# Altium PCB MK66MUC.PcbDoc (part 1 of 2)
Units mil, origin at the board's own origin, x right, y up, seen from the top; angles counter-clockwise.
Board outline 5142.08 x 3058.33 mil, 2 copper layers (Top Layer, Bottom Layer); 100 components, 101 nets, 463 pads, 106 vias.
Unrouted connection lines stored in the file: 122.
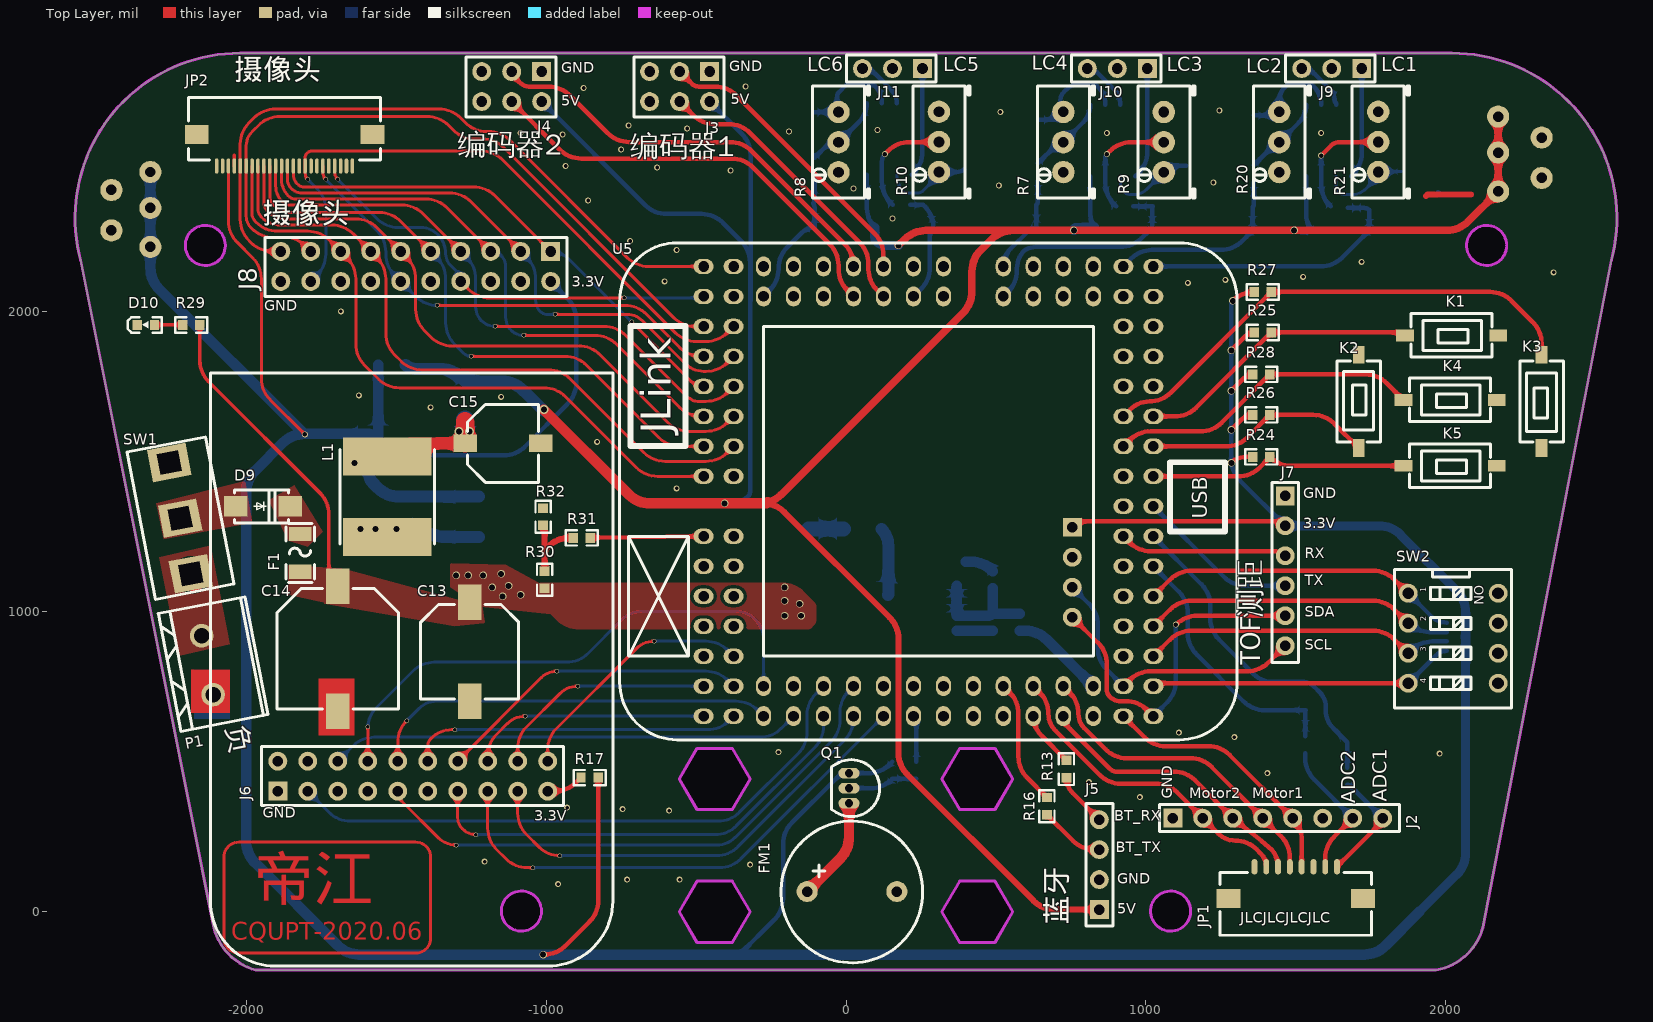
[diagram p0: Top Layer view]
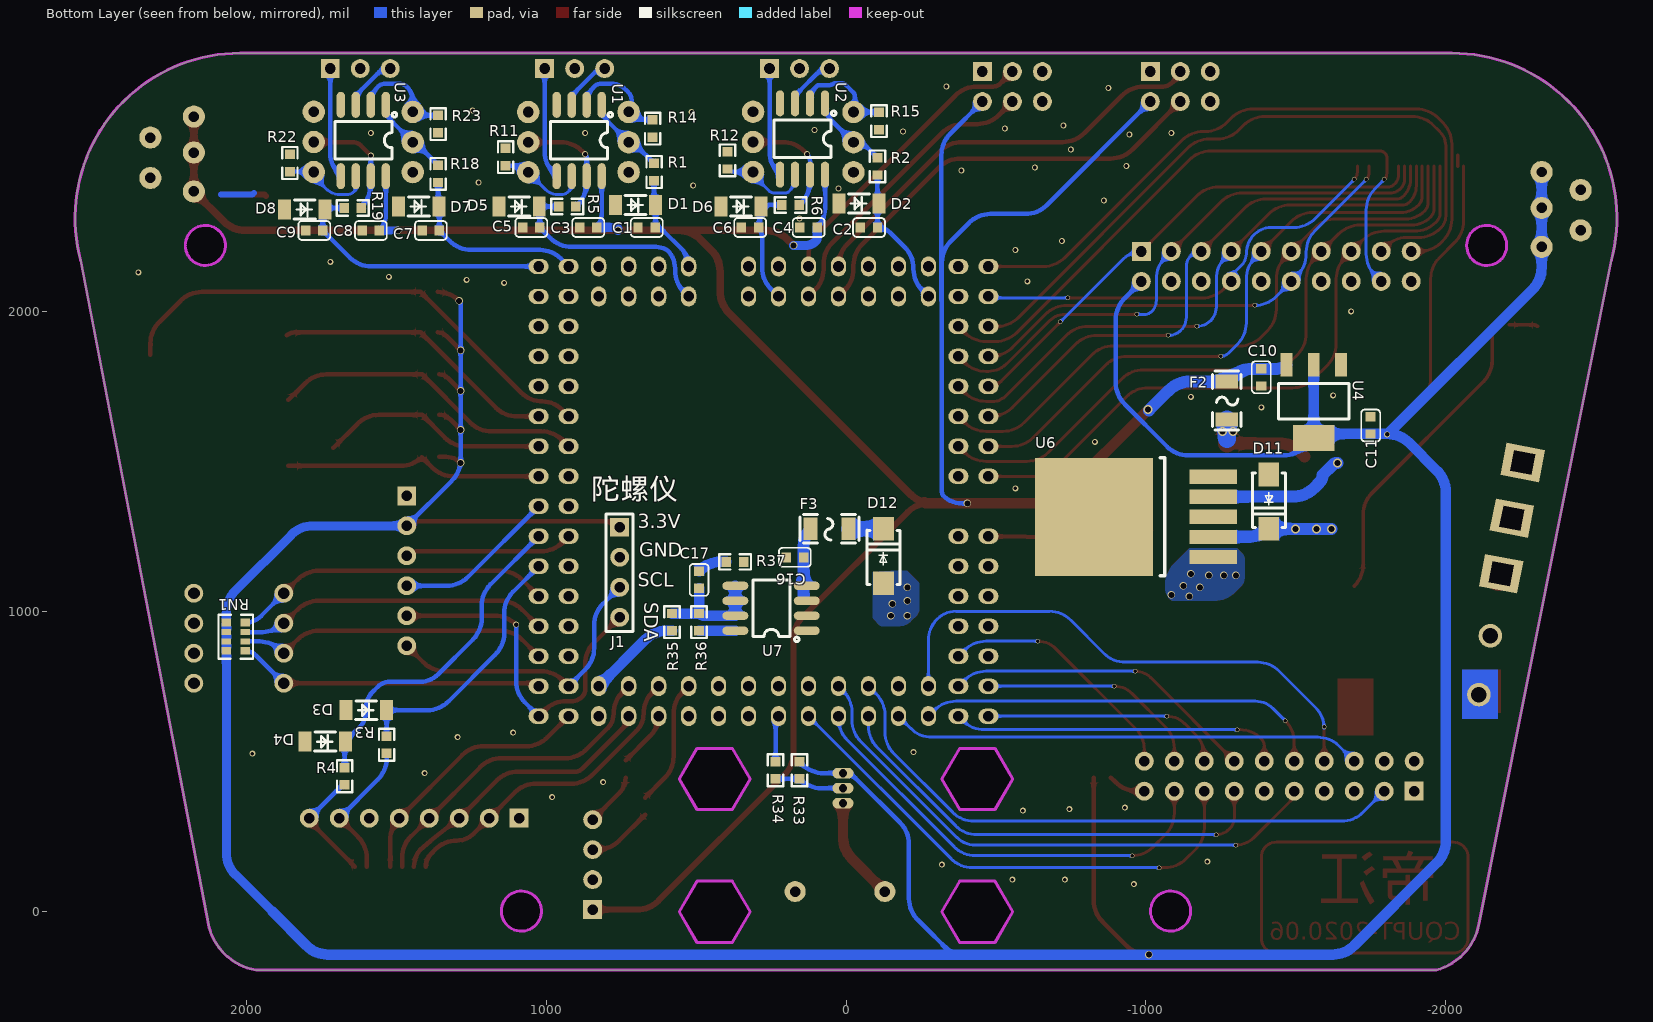
[diagram p1: Bottom Layer view, seen from below]
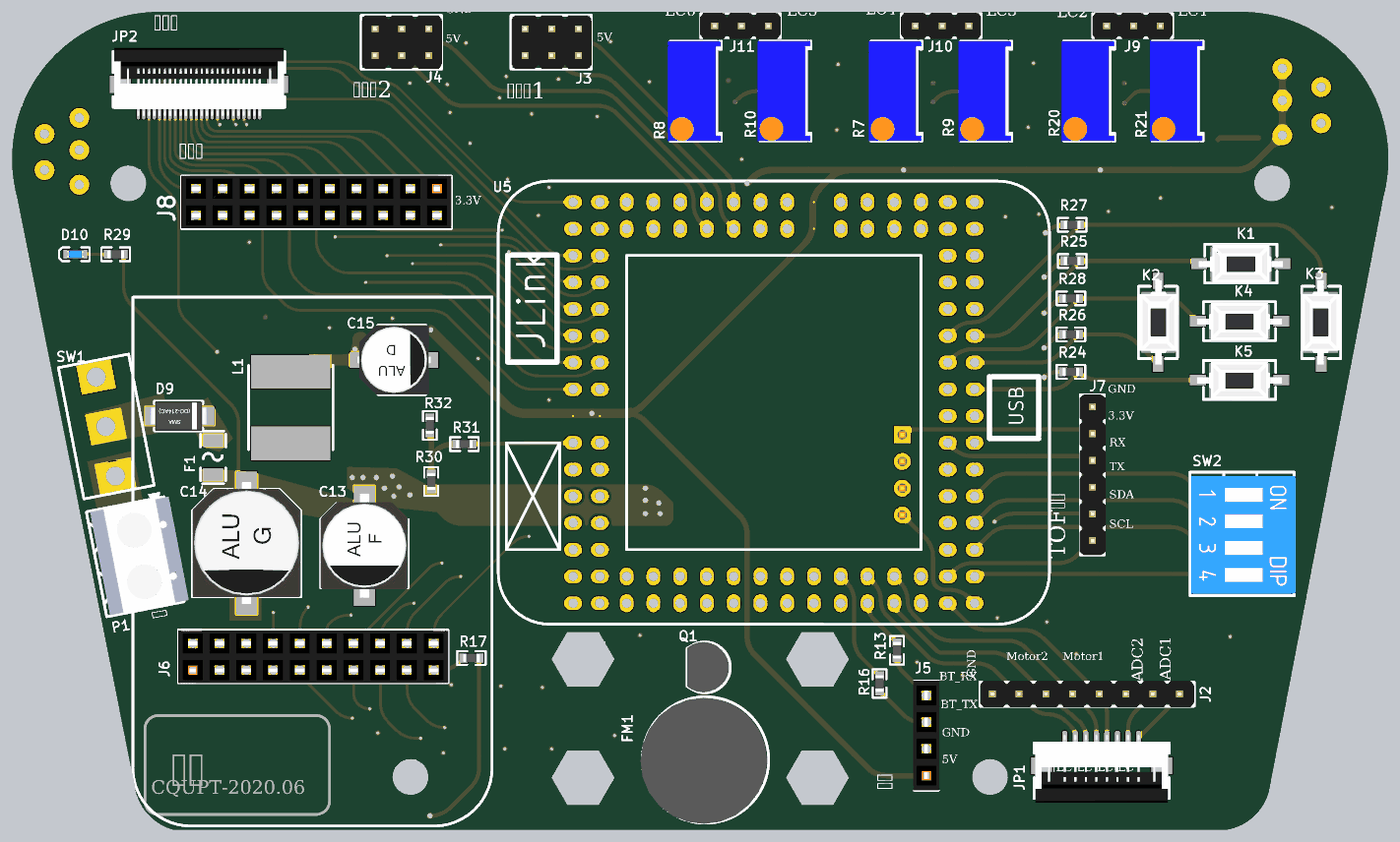
[diagram p3: 3D render of the assembled board from above, using the file's embedded part models]
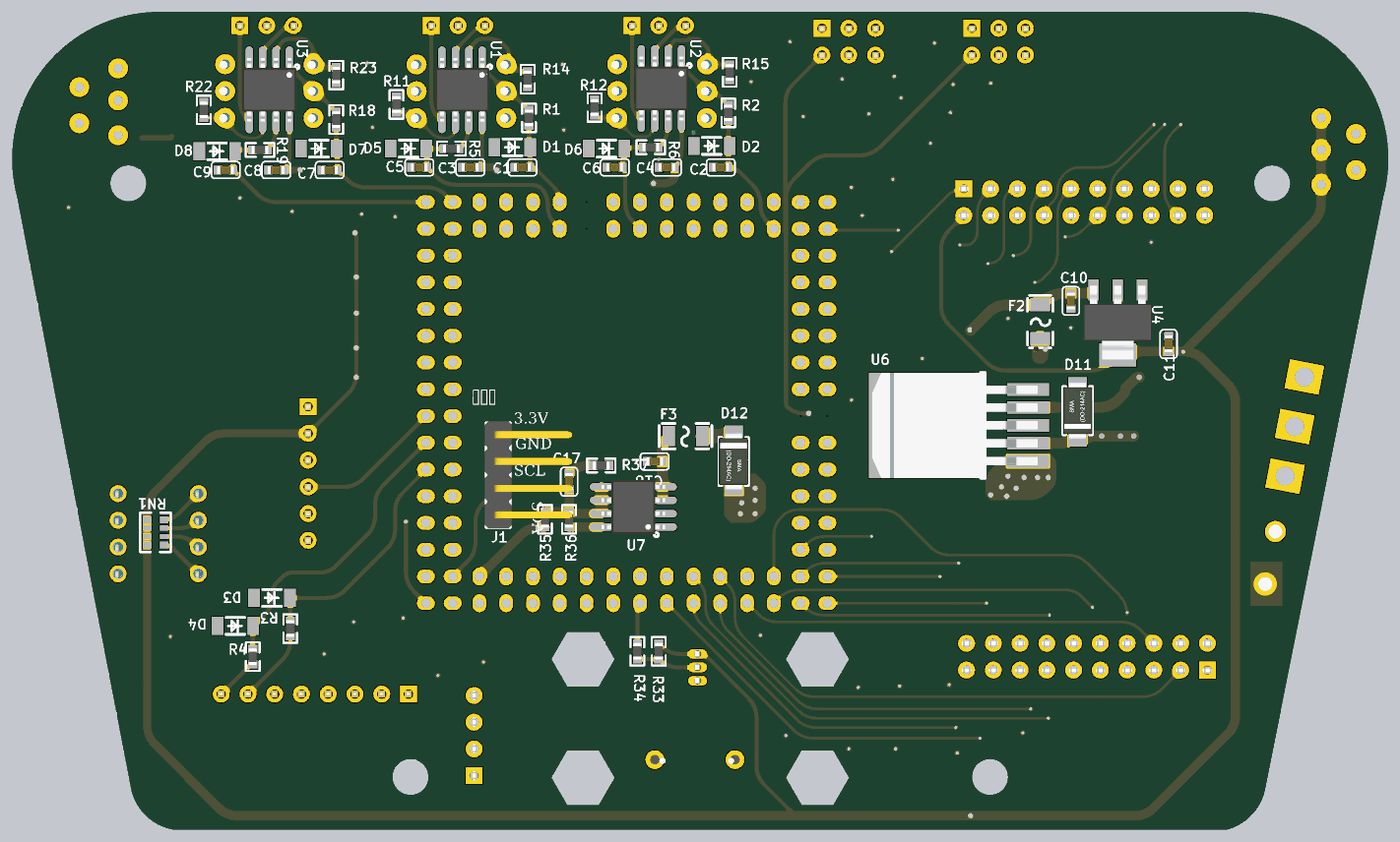
[diagram p4: 3D render of the assembled board from below, using the file's embedded part models]

## Layer stack, top to bottom
Top Solder: solder mask 0.4, Solder Resist, Dk 3.5
Top Layer: signal copper 1.4
Dielectric 1: dielectric 12.6, FR-4, Dk 4.8
Bottom Layer: signal copper 1.4
Bottom Solder: solder mask 0.4, Solder Resist, Dk 3.5

## Board outline
-2111.42,-40.89 -2552.35,2169.13 cw(c-2021.09,2311.48) -2021.09,2861.48 2021.09,2861.48 cw(c2021.09,2311.48) 2552.35,2169.13 2124.46,-53.94 cw(c1934.32,-2.99) 1968.5,-196.85 -1968.5,-196.85 cw(c-1917.56,-6.71)
cut-out: -497.05,-104.82 -556.1,-2.53 -497.05,99.76 -378.94,99.76 -319.88,-2.53 -378.94,-104.82
cut-out: -497.05,-104.82 -556.1,-2.53 -497.05,99.76 -378.94,99.76 -319.88,-2.53 -378.94,-104.82
cut-out: 378.94,338.49 319.88,440.78 378.94,543.06 497.05,543.06 556.1,440.78 497.05,338.49
cut-out: 378.94,-104.82 319.88,-2.53 378.94,99.76 497.05,99.76 556.1,-2.53 497.05,-104.82
cut-out: -497.05,338.49 -556.1,440.78 -497.05,543.06 -378.94,543.06 -319.88,440.78 -378.94,338.49
cut-out: -2136.81,2153.15 cw(c-2136.81,2220.08) -2203.74,2220.08 cw(c-2136.81,2220.08) -2136.81,2287.01 cw(c-2136.81,2220.08) -2069.88,2220.08 cw(c-2136.81,2220.08)
cut-out: 2069.88,2220.08 ccw(c2136.81,2220.08) 2136.81,2153.15 ccw(c2136.81,2220.08) 2203.74,2220.08 ccw(c2136.81,2220.08) 2136.81,2287.01 ccw(c2136.81,2220.08)
cut-out: 1015.75,0 ccw(c1082.68,0) 1082.68,-66.93 ccw(c1082.68,0) 1149.61,0 ccw(c1082.68,0) 1082.68,66.93 ccw(c1082.68,0)
cut-out: -1149.61,0 ccw(c-1082.68,0) -1082.68,-66.93 ccw(c-1082.68,0) -1015.75,0 ccw(c-1082.68,0) -1082.68,66.93 ccw(c-1082.68,0)

## Design rules (kind name [scope] priority, off if disabled: settings)
Clearance [All] p1: gap=10
ComponentClearance [All] p1 off: gap=10 collisioncheckmode=3 verticalgap=10 showdistances=FALSE
Height [All] p1 off: minheight=0 maxheight=1000 prefheight=500
PolygonConnect [All] p1: connectstyle=Direct reliefconductorwidth=10 reliefentries=4 polygonreliefangle="90 Angle" airgapwidth=10
RoutingVias [All] p1: holewidth=28 width=50 viastyle="Through Hole" minholewidth=28 minwidth=50 maxholewidth=28 maxwidth=50
SolderMaskExpansion [All] p1: expansion=4
Width [All] p1: maxlimit=500 minlimit=10 preferedwidth=20
28 further rules are at their usual default settings.

## Components (designator, comment, footprint, x,y, rotation, side; value= is the part's Value field where it differs from the comment)
C1 "22uf" CAP_0603 665,2280 r0 bottom
C2 "22uf" CAP_0603 -76.26,2280 r0 bottom
C3 "104" CAP_0603 860,2280 r0 bottom
C4 "104" CAP_0603 125,2280 r0 bottom
C5 "22uf" CAP_0603 1050,2280 r0 bottom
C6 "22uf" CAP_0603 320,2280 r0 bottom
C7 "22uf" CAP_0603 1385,2270 r0 bottom
C8 "104" CAP_0603 1585,2270 r0 bottom
C9 "22uf" CAP_0603 1773.74,2270 r0 bottom
C10 "106" CAP_0603 -1385,1780 r270 bottom
C11 "104" CAP_0603 -1750,1620 r90 bottom
C13 "470uF/35V" CAPE_SMD_F_8.4 -1255,865 r90 top
C14 "1000uF/35V" CAPE_SMD_G_10.6 -1695,875 r90 top
C15 "220uF/25V" CAPE_SMD_D_6.4 -1144.02,1560 r180 top
C16 "104" CAP_0603 170,1180 r180 bottom
C17 "106" CAP_0603 490,1105 r90 bottom
D1 "ZMM3V3" LL-34_L3.5-W1.5-RD 701.93,2355 r0 bottom
D2 "ZMM3V3" LL-34_L3.5-W1.5-RD -43.07,2360 r0 bottom
D3 "ZMM3V3" LL-34_L3.5-W1.5-RD 1600,670 r0 bottom
D4 "ZMM3V3" LL-34_L3.5-W1.5-RD 1736.93,565 r0 bottom
D5 "ZMM3V3" LL-34_L3.5-W1.5-RD 1090,2350 r0 bottom
D6 "ZMM3V3" LL-34_L3.5-W1.5-RD 350,2350 r0 bottom
D7 "ZMM3V3" LL-34_L3.5-W1.5-RD 1425,2350 r0 bottom
D8 "ZMM3V3" LL-34_L3.5-W1.5-RD 1805,2340 r0 bottom
D9 "SS54/5A/40V" DO214_SMA -1853.9,1350 r180 top
D10 "LED" LED_0603_B -2335,1955 r0 top
D11 "SS54/5A/40V" DO214_SMA -1410,1275 r90 bottom
D12 "SS54/5A/40V" DO214_SMA -125,1275 r270 bottom
F1 "3A/16V" F1206 -1820,1195 r270 top
F2 "JK-NSMD100-16V" F1206 -1270,1702.99 r90 bottom
F3 "JK-NSMD100-16V" F1206 55,1275 r180 bottom
FM1 "BUZZER" BUZZ-12*7.5 20,65 r0 top
J1 "Header" "Header H 2.54X4" 755,1130 r270 bottom
J2 "Header" "Header 2.54X8" 1440,310 r0 top
J3 "Header" "Header 2.54_2X3" -555,2750 r180 top
J4 "Header" "Header 2.54_2X3" -1115,2750 r180 top
J5 "Header" "Header F 2.54X4" 845,155 r90 top
J6 "Header" "Header F 2.54_2x10" -1445,450 r0 top
J7 "Header" "Header 2.54X6" 1465,1135 r270 top
J8 "Header" "Header F 2.54_2x10" -1435,2150 r180 top
J9 "Header" "Header 2.54X3" 1620,2810 r180 top
J10 "Header" "Header 2.54X3" 905,2810 r180 top
J11 "Header" "Header 2.54X3" 155,2810 r180 top
JP1 "FPC_8pin" FPC_1.0_8P 1500,95 r0 top
JP2 "FPC_24pin" FPC_0.5_24P -1872.68,2537.76 r180 top
K1 "TS-Button_2P" SW_SMD_6.1*3.7 2020,1920 r180 top
K2 "TS-Button_2P" SW_SMD_6.1*3.7 1710,1700 r270 top
K3 "TS-Button_2P" SW_SMD_6.1*3.7 2320,1700 r90 top
K4 "TS-Button_2P" SW_SMD_6.1*3.7 2015,1705 r180 top
K5 "TS-Button_2P" SW_SMD_6.1*3.7 2015,1485 r180 top
L1 "33uH" IND-SMD_L8.0-W8.0 -1530,1381.93 r270 top
P1 "KF-2P-5.08" KF_2P-5.08 -2130,820 r281 top
Q1 "2N3906" TO_92A 10,410 r270 top
R1 "100" RES_0603 640,2465 r90 bottom
R2 "100" RES_0603 -105,2483.74 r90 bottom
R3 "2k" RES_0603 1531.93,555 r270 bottom
R4 "2k" RES_0603 1671.93,450 r270 bottom
R5 "100" RES_0603 930,2350 r180 bottom
R6 "100" RES_0603 185,2355 r180 bottom
R7 "100k" RES_POT-3296W 725,2565 r90 top
R8 "100k" RES_POT-3296W -25,2564.61 r90 top
R9 "100k" RES_POT-3296W 1060,2564.61 r90 top
R10 "100k" RES_POT-3296W 310,2565.39 r90 top
R11 "510" RES_0603 1135,2515 r270 bottom
R12 "510" RES_0603 395,2503.74 r270 bottom
R13 "1k" RES_0603 735,473.74 r270 top
R14 "510" RES_0603 645,2610 r270 bottom
R15 "510" RES_0603 -110,2635 r270 bottom
R16 "1k" RES_0603 670,350 r270 top
R17 "120" RES_0603 -855,445 r0 top
R18 "100" RES_0603 1360,2458.74 r90 bottom
R19 "100" RES_0603 1645,2345 r180 bottom
R20 "100k" RES_POT-3296W 1445,2565 r90 top
R21 "100k" RES_POT-3296W 1775,2565.39 r90 top
R22 "510" RES_0603 1855,2495 r270 bottom
R23 "510" RES_0603 1360,2625 r270 bottom
R24 "10k" RES_0603 1385,1515 r180 top
R25 "10k" RES_0603 1390,1930 r180 top
R26 "10k" RES_0603 1385,1655 r180 top
R27 "10k" RES_0603 1390,2065 r180 top
R28 "10k" RES_0603 1385,1790 r180 top
R29 "2k" RES_0603 -2183.74,1955 r0 top
R30 "4.7k" RES_0603 -1005,1105 r90 top
R31 "2k" RES_0603 -881.26,1245 r0 top
R32 "1k" RES_0603 -1010,1315 r90 top
R33 "10k" RES_0603 155,470 r270 bottom
R34 "1k" RES_0603 235,470 r270 bottom
R35 "0Ω" RES_0603 580,963.74 r270 bottom
R36 "240K" RES_0603 490,963.74 r90 bottom
R37 "1Ω" RES_0603 370,1165 r0 bottom
RN1 "10k" RES-ARRAY-SMD_0603-8P-L3.2-W1.6-BL 2035,915 r90 bottom
SW1 "PowerSwitch" SW-TH_K3-1260D-K1 -2221.06,1310.5 r11 top
SW2 "拨码开关4P" VDG/S-04HG-R 2025,910 r270 top
U1 "LMV358IDR" SOIC-8_150MIL 890,2570 r270 bottom
U2 "LMV358IDR" SOIC-8_150MIL 145,2575 r270 bottom
U3 "LMV358IDR" SOIC-8_150MIL 1610,2570 r270 bottom
U4 "AMS1117-3.3" SOT-223_3 -1560,1700 r90 bottom
U5 "MK66CoreBoard" MK66_MCU -475,1050 r90 top
U6 "LM2596S-5.0/TR_C340931" TO-263_5 -890,1315 r0 bottom
U7 "TPS7350QDR" SOIC-8_150MIL 250,1010 r0 bottom

## Footprints (in the part's own frame and the unit in brackets; to place one, negate y for a bottom-side part, rotate by r counter-clockwise, add the part's x,y. Pads: shape width x height; smd on the part's side, far side on the other; paste and mask are expansions set on the pad)
BUZZ-12*7.5 [mil] "外径12mm，脚距7.5mm"
  round 70 hole 35.4: 1(-149.6,0) 2(149.6,0)
  silkscreen extent -237,-237 236,235, body extent -243,-241 229,232, height 339
CAP_0603 [mm]
  rect 0.8x0.85 smd: 1(-0.73,0) 2(0.73,0)
  silkscreen extent -1.36,-0.8 1.34,0.8, body extent -0.8,-0.4 0.8,0.4, height 0.6
CAPE_SMD_D_6.4 [mm] "6.3X6.6X5.4"
  rect 2x1.5 smd: 1(3.2,0) 2(-3.2,0)
  silkscreen extent -3,-3.3 3,3.3, body extent -3.5,-3.3 3.5,3.3, height 5.4
CAPE_SMD_F_8.4 [mm] "8X8.3X10.2"
  rect 3x2 smd: 1(4.2,0) 2(-4.2,0)
  silkscreen extent -4,-4.15 4,4.15, body extent -4.95,-4.15 4.95,4.15, height 10.2
CAPE_SMD_G_10.6 [mm] "10X10.3X10.2"
  rect 3x2 smd: 1(5.3,0) 2(-5.3,0)
  silkscreen extent -5.1,-5.15 5.1,5.15, body extent -5.8,-5.15 5.8,5.15, height 10.2
DO214_SMA [mm] "贴片二极管"
  rect 2x1.75 smd: 1(4.6,0) 2(0,0)
  silkscreen extent 0.11,-1.4 4.71,1.4, body extent -0.34,-1.4 5.16,1.4, height 2.6
F1206 [mm]
  rect 1.2x1.9 smd: 1(-1.6,0) 2(1.6,0)
  silkscreen extent -2.5,-1.2 2.5,1.2
FPC_0.5_24P [mm]
  oval 0.3x1.3 smd: 1(-5.75,1.34) 2(-5.25,1.34) 3(-4.75,1.34) 4(-4.25,1.34) 5(-3.75,1.34) 6(-3.25,1.34) 7(-2.75,1.34) 8(-2.25,1.34) 9(-1.75,1.34) 10(-1.25,1.34) 11(-0.75,1.34) 12(-0.25,1.34) 13(0.25,1.34) 14(0.75,1.34) 15(1.25,1.34) 16(1.75,1.34) 17(2.25,1.34) 18(2.75,1.34) 19(3.25,1.34) 20(3.75,1.34) 21(4.25,1.34) 22(4.75,1.34) 23(5.25,1.34) 24(5.75,1.34)
  rect 2x1.6 smd: 25(-7.45,-1.34) 26(7.45,-1.34)
  silkscreen extent -8.15,-4.46 8.15,0.84, body extent -8.05,-4.8 8.05,1.7, height 2.2
FPC_1.0_8P [mm]
  oval 0.5x1.3 smd: 1(-3.5,1.34) 2(-2.5,1.34) 3(-1.5,1.34) 4(-0.5,1.34) 5(0.5,1.34) 6(1.5,1.34) 7(2.5,1.34) 8(3.5,1.34)
  rect 2x1.6 smd: 9(-5.7,-1.34) 10(5.7,-1.34)
  silkscreen extent -6.4,-4.46 6.4,0.84, body extent -6.3,-4.86 6.3,1.64, height 2.2
"Header 2.54_2X3" [mm]
  rect 1.6x1.6 hole 0.9: 1(-2.54,-1.27)
  round 1.6 hole 0.9: 2(0,-1.27) 3(2.54,-1.27) 4(2.54,1.27) 5(0,1.27) 6(-2.54,1.27)
  silkscreen extent -3.77,-2.5 3.86,2.6, body extent -3.81,-2.5 3.81,2.58, height 8.6
"Header 2.54X3" [mm]
  rect 1.6x1.6 hole 0.9: 1(-2.54,0)
  round 1.6 hole 0.9: 2(0,0) 3(2.54,0)
  silkscreen extent -3.68,-1.14 3.9,1.14, body extent -3.68,-1.23 3.94,1.27, height 8.3
"Header 2.54X6" [mm]
  rect 1.6x1.6 hole 0.9: 1(-6.35,0)
  round 1.6 hole 0.9: 2(-3.81,0) 3(-1.27,0) 4(1.27,0) 5(3.81,0) 6(6.35,0)
  silkscreen extent -7.49,-1.14 7.75,1.14, body extent -7.49,-1.23 7.75,1.27, height 8.3
"Header 2.54X8" [mm]
  rect 1.6x1.6 hole 0.9: 1(-8.89,0)
  round 1.6 hole 0.9: 2(-6.35,0) 3(-3.81,0) 4(-1.27,0) 5(1.27,0) 6(3.81,0) 7(6.35,0) 8(8.89,0)
  silkscreen extent -10.03,-1.14 10.31,1.14, body extent -10.03,-1.23 10.29,1.27, height 8.3
"Header F 2.54_2x10" [mm]
  rect 1.6x1.6 hole 0.9: 1(-11.43,-1.27)
  round 1.6 hole 0.9: 2(-8.89,-1.27) 3(-6.35,-1.27) 4(-3.81,-1.27) 5(-1.27,-1.27) 6(1.27,-1.27) 7(3.81,-1.27) 8(6.35,-1.27) 9(8.89,-1.27) 10(11.43,-1.27) 11(11.43,1.27) 12(8.89,1.27) 13(6.35,1.27) 14(3.81,1.27) 15(1.27,1.27) 16(-1.27,1.27) 17(-3.81,1.27) 18(-6.35,1.27) 19(-8.89,1.27) 20(-11.43,1.27)
  silkscreen extent -12.83,-2.47 12.77,2.53, body extent -12.85,-2.52 12.8,2.48, height 8.6
"Header F 2.54X4" [mm]
  rect 1.6x1.6 hole 0.9: 1(-3.81,0)
  round 1.6 hole 0.9: 2(-1.27,0) 3(1.27,0) 4(3.81,0)
  silkscreen extent -5.2,-1.14 5.19,1.14, body extent -5.21,-1.25 5.21,1.25, height 8.6
"Header H 2.54X4" [mm]
  rect 1.6x1.6 hole 0.9: 1(-3.81,0)
  round 1.6 hole 0.9: 2(-1.27,0) 3(1.27,0) 4(3.81,0)
  silkscreen extent -4.95,-1.14 5,1.14, body extent -5.08,-1.27 5.08,7, height 4.43
IND-SMD_L8.0-W8.0 [mm]
  rect 3.2x7.5 smd: 1(-3.4,0) 2(3.4,0)
  silkscreen extent -4,-4 4,4
KF_2P-5.08 [mm] "WJ500V-5.08-2P"
  round 2 hole 1.3: 1(-2.54,0) 2(2.54,0)
  silkscreen extent -5.08,-3.25 5.08,4.24, body extent -5.6,-2.91 5,4.69, height 10.1
LED_0603_B [mm]
  rect 0.8x0.85 smd: A(0.73,0) C(-0.73,0)
  silkscreen extent -1.55,-0.65 1.35,0.65, body extent -0.81,-0.4 0.81,0.4, height 0.6
LL-34_L3.5-W1.5-RD [mm]
  rect 1.1x1.7 smd: 1(-1.7,0) 2(1.7,0)
  silkscreen extent -0.9,-0.8 0.9,0.8
MK66_MCU [mm]
  oval 1.7x1.3 hole 0.9: 1(-10.16,-5.08) 2(-7.62,-5.08) 3(-10.16,-7.62) 4(-7.62,-7.62) 5(-10.16,-10.16) 6(-7.62,-10.16) 7(-10.16,-12.7) 8(-7.62,-12.7) 9(-10.16,-15.24) 10(-7.62,-15.24) 11(-10.16,-17.78) 12(-7.62,-17.78) 13(-10.16,-20.32) 14(-7.62,-20.32) 15(-10.16,-22.86) 16(-7.62,-22.86) 17(-10.16,-25.4) 18(-7.62,-25.4) 19(-10.16,-27.94) 20(-7.62,-27.94) 21(-10.16,-30.48) 22(-7.62,-30.48) 23(-10.16,-33.02) 24(-7.62,-33.02) 57(25.4,-5.08) 58(27.94,-5.08) 59(25.4,-7.62) 60(27.94,-7.62) 61(25.4,-10.16) 62(27.94,-10.16) 63(25.4,-12.7) 64(27.94,-12.7) 65(25.4,-15.24) 66(27.94,-15.24) 67(25.4,-17.78) 68(27.94,-17.78) 69(25.4,-20.32) 70(27.94,-20.32) 73(25.4,-25.4) 74(27.94,-25.4) 75(25.4,-27.94) 76(27.94,-27.94) 77(25.4,-30.48) 78(27.94,-30.48) 79(25.4,-33.02) 80(27.94,-33.02)
  oval 1.3x1.7 hole 0.9: 25(-10.16,-38.1) 26(-10.16,-35.56) 27(-7.62,-38.1) 28(-7.62,-35.56) 29(-5.08,-38.1) 30(-5.08,-35.56) 31(-2.54,-38.1) 32(-2.54,-35.56) 33(0,-38.1) 34(0,-35.56) 35(2.54,-38.1) 36(2.54,-35.56) 37(5.08,-38.1) 38(5.08,-35.56) 39(7.62,-38.1) 40(7.62,-35.56) 41(10.16,-38.1) 42(10.16,-35.56) 43(12.7,-38.1) 44(12.7,-35.56) 45(15.24,-38.1) 46(15.24,-35.56) 47(17.78,-38.1) 48(17.78,-35.56) 49(20.32,-38.1) 50(20.32,-35.56) 51(22.86,-38.1) 52(22.86,-35.56) 53(25.4,-38.1) 54(25.4,-35.56) 55(27.94,-38.1) 56(27.94,-35.56) 81(-10.16,-2.54) 82(-10.16,0) 83(-7.62,-2.54) 84(-7.62,0) 85(-5.08,-2.54) 86(-5.08,0) 87(-2.54,-2.54) 88(-2.54,0) 89(0,-2.54) 90(0,0) 91(2.54,-2.54) 92(2.54,0) 93(5.08,-2.54) 94(5.08,0) 97(10.16,-2.54) 98(10.16,0) 99(12.7,-2.54) 100(12.7,0) 101(15.24,-2.54) 102(15.24,0) 103(17.78,-2.54) 104(17.78,0) 105(20.32,-2.54) 106(20.32,0) 107(22.86,-2.54) 108(22.86,0) 109(25.4,-2.54) 110(25.4,0) 111(27.94,-2.54) 112(27.94,0)
  round 0 all layers, no hole: 71(25.4,-22.86) 72(27.94,-22.86) 95(7.62,-2.54) 96(7.62,0)
  silkscreen extent -12.16,-45.21 29.94,7.11
RES-ARRAY-SMD_0603-8P-L3.2-W1.6-BL [mm]
  rect 0.65x0.8 smd: 1(-1.2,-0.8) 4(1.2,-0.8) 5(1.2,0.8) 8(-1.2,0.8)
  rect 0.5x0.8 smd: 2(-0.4,-0.8) 3(0.4,-0.8) 6(0.4,0.8) 7(-0.4,0.8)
  silkscreen extent -1.87,-1.45 1.87,1.47
RES_0603 [mm]
  rect 0.8x0.85 smd: 1(-0.73,0) 2(0.73,0)
  silkscreen extent -1.35,-0.65 1.35,0.65, body extent -0.8,-0.4 0.8,0.4, height 0.38
RES_POT-3296W [mm] "RES-ADJ-TH_3P-L9.5-W4.9-P2.50-L_3296W"
  round 1.9 hole 0.9: 1(-2.55,0) 2(-0.01,0) 3(2.55,0)
  silkscreen extent -4.75,-2.64 4.75,2.2, body extent -4.75,-2.59 4.75,2.41, height 11.5
SOIC-8_150MIL [mm]
  oval 2.2x0.7 smd: 1(-3.023,1.905) 2(-3.023,0.635) 3(-3.023,-0.635) 4(-3.023,-1.905) 5(3.023,-1.905) 6(3.023,-0.635) 7(3.023,0.635) 8(3.023,1.905)
  silkscreen extent -2.37,-2.41 1.55,2.83, body extent -3.03,-2.57 3.03,2.56, height 1.95
SOT-223_3 [mm]
  rect 2x1 smd: 1(3.1,-2.3) 2(3.1,0) 3(3.1,2.3)
  rect 2.2x3.5 smd: 4(-3.1,0)
  silkscreen extent -1.5,-3 1.5,3, body extent -3.5,-3.25 3.5,3.25, height 1.64
SW-TH_K3-1260D-K1 [mm]
  rect 3.3x2.8 hole 1.8 square: 1(0,4.8) 2(0,0) 3(0,-4.8)
  silkscreen extent -3.35,-6.35 3.44,6.35
SW_SMD_6.1*3.7 [mm] "SW-SMD_L6.1-W3.7-LS7.9"
  rect 1.5x1 smd: A(-3.95,0) B(3.95,0)
  silkscreen extent -3.43,-1.85 3.43,1.85, body extent -4,-1.8 4,1.9, height 2.6
TO-263_5 [mm]
  rect 4x1.2 smd: 1(-8.5,3.4) 2(-8.5,1.7) 3(-8.5,0) 4(-8.5,-1.7) 5(-8.5,-3.4)
  rect 10x10 smd: 6(1.6,0)
  silkscreen extent -4.41,-5 -4.03,5, body extent -9.4,-5 6.27,5, height 4.78
TO_92A [mm]
  oval 0.9x1.8 hole 0.7: 1(-1.27,0) 2(0,0) 3(1.27,0)
  silkscreen extent -2.41,-1.5 2.41,2.6, body extent -2.42,-1.49 2.38,2.44, height 7
VDG/S-04HG-R [mm]
  round 1.6 hole 1: 1(-3.81,-3.81) 2(-1.27,-3.81) 3(1.27,-3.81) 4(3.81,-3.81) 5(3.81,3.81) 6(1.27,3.81) 7(-1.27,3.81) 8(-3.81,3.81)
  silkscreen extent -5.84,-4.96 5.89,4.95, body extent -5.48,-4.82 5.68,5.08, height 7

## Part data
C1 C2 C3 C4 C5 C6 C7 C8 C9 C10 C11 C16 C17: library part CAP_0603
C13 C14 C15: library part CAP_E_SMD, "贴片电解电容"
D9 D11 D12: library part SS54
D10: library part LED_0603, "发光LED"
F1: library part JK-NSMD100-16V
FM1: "蜂鸣器"
J1 J5: library part "Header 2.54_4"
J2: library part "Header 2.54_8"
J3 J4: library part "Header 2.54_2X3"
J6 J8: library part "Header 2.54_2X10"
J7: library part "Header 2.54_6"
J9 J10 J11: library part "Header 2.54_3"
K1 K2 K3 K4 K5: "贴片按键 3*6*2.5"
L1: library part Inductor
P1: "端子2P"
Q1: "三极管PNP"
R1 R2 R3 R4 R5 R6 R11 R12 R13 R14 R15 R16 R17 R18 R19 R22 R23 R24 R25 R26 R27 R28 R29 R30 R31 R32 R33 R34 R35 R36 R37: library part RES_0603
R7 R8 R9 R10 R20 R21: library part RES_POT-3296W, "可调电阻3296W"
RN1: library part RESW4
SW2: "DIP_4PX2*2.54"

## Free pads (board coordinates)
  round 74 hole 35: 2(-2450,2270) 2(-2450,2405) 2(-2320,2215) 2(-2320,2345) 2(-2320,2465) 2(2175,2400) 2(2175,2530) 2(2175,2650) 2(2320,2445) 2(2320,2580)

## Via types
v1: diameter 20, hole 12, Top Layer to Bottom Layer, tented both sides, 50 vias
v2: diameter 25, hole 20, Top Layer to Bottom Layer, tented both sides, 23 vias
v3: diameter 15, hole 12, Top Layer to Bottom Layer, tented both sides, 21 vias
v4: diameter 30, hole 20, Top Layer to Bottom Layer, tented both sides, 7 vias
v5: diameter 20, hole 15, Top Layer to Bottom Layer, tented both sides, 5 vias

## Nets (pads, with @x,y where several pads share a name; then routed paths per layer and width w, separated by ;. In a path a pad name is that pad's centre, name@x,y a point inside that pad or via, vN(x,y) a via of type N, cw(c..) or ccw(c..) an arc to the next point about the centre after c; other vN are vias at no path point)
7.2V: C13.1 C14.1 D12.1 F1.2 R29.2 R30.1 U6.1 | length 1049
  Top Layer w12: R29.2@-2155,1955 -2155,1836.42 ccw(c-2055,1836.42) -2125.71,1765.71 -1754.29,1394.29 cw(c-1825,1323.58) -1725,1323.58 -1725,1155.08 ccw(c-1625,1155.08) -1695.71,1084.37 C14.1@-1695,1083.66
  other v2: -205,985 -150,985 -155,1025 -205,1035 -1145,1050 -1085,1055 -1180,1080 -205,1080 -1125,1085 -1300,1120 -1260,1120 -1210,1120 -1150,1125
ADC_BAT: R31.2 U5.94 | length 377.6
  Top Layer w15: R31.2@-852.52,1245 U5.94@-475,1250
ADC_MOTOR1: D4.1 R4.1 U5.37 | length 1111.2
  Bottom Layer w15: U5.37@1025,1250 1185.71,1089.29 cw(c1115,1018.58) 1215,1018.58 1215,976.42 ccw(c1315,976.42) 1244.29,905.71 1360,790 ccw(c1420.36,850.36) 1420.36,765 1520,765 cw(c1520,704.64) 1562.68,747.32 1580,730 cw(c1531.72,681.72) 1600,681.72 1600,670 ccw(c1684.5,670) 1624.75,610.25 D4.1@1670,565 cw(c1665.34,560.34) 1671.93,560.34 R4.1@1671.93,478.74
ADC_MOTOR1_IN: J2.8 JP1.8 R4.2 | length 387.7
  Top Layer w15: JP1.8@1637.8,147.76 1782.9,292.86 ccw(c1765.76,310) J2.8@1790,310
  Bottom Layer w15: R4.2@1671.93,421.26 cw(c1671.93,404.82) 1683.56,416.44 J2.8@1790,310
ADC_MOTOR2: D3.1 R3.1 U5.35 | length 868.4
  Bottom Layer w15: U5.35@1025,1150 1110.71,1064.29 cw(c1040,993.58) 1140,993.58 1140,926.42 ccw(c1240,926.42) 1169.29,855.71 1325.71,699.29 ccw(c1396.42,770) 1396.42,670 D3.1@1533.07,670 ccw(c1535.82,667.25) 1531.93,667.25 R3.1@1531.93,583.74
ADC_MOTOR2_IN: J2.7 JP1.7 R3.2 | length 473.3
  Top Layer w15: JP1.7@1598.43,147.76 1598.43,177 cw(c1698.43,177) 1627.71,247.71 J2.7@1690,310
  Bottom Layer w15: R3.2@1531.93,526.26 1531.93,509.49 ccw(c1631.93,509.49) 1561.22,438.78 J2.7@1690,310
ADC_OUT1: C9.1 D8.1 R19.1 U5.55 | length 906.7
  Bottom Layer w15: U5.55@1025,2150 1583.58,2150 ccw(c1583.58,2250) 1654.29,2179.29 C9.1@1745,2270 1745,2338.27 ccw(c1728.75,2322.01) 1728.75,2345 R19.1@1673.74,2345
ADC_OUT2: C7.1 D7.1 R18.1 U5.56 | length 633.5
  Bottom Layer w15: U5.56@925,2150 951.72,2176.72 cw(c1020,2108.43) 1020,2205 1249.84,2205 ccw(c1249.84,2305) 1320.55,2234.29 C7.1@1356.26,2270 1356.26,2345.63 cw(c1362.44,2345.63) D7.1@1358.07,2350 ccw(c1353.41,2354.66) 1360,2354.66 R18.1@1360,2430
ADC_OUT3: C5.1 D5.1 R5.1 U5.73 | length 760.4
  Bottom Layer w15: U5.73@525,2050 540.71,2065.71 ccw(c470,2136.42) 570,2136.42 570,2143.59 cw(c654,2143.59) 594.6,2202.99 cw(c633.28,2146.72) 633.28,2215 914.84,2215 ccw(c914.84,2315) 985.55,2244.29 C5.1@1021.26,2280 1021.26,2345.63 cw(c1027.44,2345.63) D5.1@1023.07,2350 R5.1@958.74,2350
ADC_OUT4: C1.1 D1.1 R1.1 U5.74 | length 338.2
  Bottom Layer w15: U5.74@525,2150 cw(c609.5,2150) 549.75,2209.75 608.5,2268.5 cw(c636.26,2240.74) C1.1@636.26,2280 cw(c639.3,2283.04) 635,2283.04 D1.1@635,2355 ccw(c622.93,2367.07) 640,2367.07 R1.1@640,2436.26
ADC_OUT5: C6.1 D6.1 R6.1 U5.67 | length 380.2
  Bottom Layer w15: R6.1@213.74,2355 257.93,2355 261.97,2350.96 cw(c191.26,2280.25) 291.26,2280.25 C6.1@291.26,2280 ccw(c318.44,2252.82) 280,2252.82 280,2146.42 cw(c180,2146.42) 250.71,2075.71 U5.67@225,2050
ADC_OUT6: C2.1 D2.1 R2.1 U5.57 | length 452.2
  Bottom Layer w15: U5.57@-254.29,2070.71 ccw(c-325,2141.42) -225,2141.42 -225,2143.58 cw(c-125,2143.58) -195.71,2214.29 -147.68,2262.32 cw(c-105,2219.64) C2.1@-105,2280 -105,2347.93 ccw(c-122.07,2347.93) D2.1@-110,2360 ccw(c-122.07,2372.07) -105,2372.07 R2.1@-105,2455
BT_RX: R13.1 U5.19 | length 189.2
  Top Layer w15: U5.19@625,650 ccw(c715.58,650) 651.53,585.95 R13.1@735,502.48
BT_TX: R16.1 U5.18 | length 422.7
  Top Layer w15: U5.18@525,750 545.71,729.29 cw(c475,658.58) 575,658.58 575,515.16 ccw(c675,515.16) 604.29,444.45 R16.1@670,378.74
BUZZ: R34.1 U5.11 | length 153.9
  Bottom Layer w15: U5.11@225,650 cw(c200.86,625.86) 235,625.86 R34.1@235,498.74
CAMERAL_D0: J8.1 JP2.11 U5.104 | length 1680
  Top Layer w10: JP2.11@-1843.15,2485 -1843.15,2456.75 ccw(c-1798.25,2456.75) -1830,2425 ccw(c-1805.86,2449.14) -1812.84,2415.72 ccw(c-1805.86,2449.14) -1805.86,2415 -1241.42,2415 cw(c-1241.42,2315) -1170.71,2385.71 J8.1@-985,2200 ; v3@-710.71,1960.71 -517.68,1767.68 ccw(c-475,1810.36) U5.104@-475,1750
  Bottom Layer w10: J8.1@-985,2200 cw(c-985,2115.5) -925.25,2175.25 v3(-715,1965)
CAMERAL_D1: J8.2 JP2.12 U5.105 | length 1880.4
  Top Layer w10: JP2.12@-1862.83,2485 -1862.83,2440.99 ccw(c-1819.01,2440.99) -1850,2410 ccw(c-1813.79,2446.21) -1813.79,2395 -1321.42,2395 cw(c-1321.42,2295) -1250.71,2365.71 J8.2@-1085,2200 ; v3(-970,1990) -730,1990 cw(c-730,1917.57) -678.79,1968.79 -535,1825 ccw(c-474.64,1885.36) -474.64,1800 -466.42,1800 ccw(c-466.42,1900) -395.71,1829.29 U5.105@-375,1850
  Bottom Layer w10: J8.2@-1085,2200 -1064.29,2179.29 cw(c-1135,2108.58) -1035,2108.58 -1035,2036.21 ccw(c-983.79,2036.21) -1020,2000 ccw(c-995.86,2024.14) -999.97,1990.25 -970.25,1990.25 v3(-970,1990)
CAMERAL_D2: J8.3 JP2.13 U5.102 | length 1897.9
  Top Layer w10: JP2.13@-1882.52,2485 -1882.52,2439.37 ccw(c-1805.63,2439.37) -1860,2385 ccw(c-1835.86,2409.14) -1835.86,2375 -1401.42,2375 cw(c-1401.42,2275) -1330.71,2345.71 J8.3@-1185,2200 ; v3(-1075,1920) -836.42,1920 cw(c-836.42,1820) -765.71,1890.71 -554.29,1679.29 ccw(c-483.58,1750) -483.58,1650 U5.102@-475,1650
  Bottom Layer w10: J8.3@-1185,2200 cw(c-1185,2150) -1135,2150 -1135,1980 ccw(c-1075,1980) v3(-1075,1920)
CAMERAL_D3: J8.4 JP2.14 U5.103 | length 1995.7
  Top Layer w10: JP2.14@-1902.2,2485 -1902.2,2418.61 ccw(c-1826.39,2418.61) -1880,2365 ccw(c-1855.86,2389.14) -1855.86,2355 -1481.42,2355 cw(c-1481.42,2255) -1410.71,2325.71 J8.4@-1285,2200 ; v3(-1170,1950) -806.42,1950 cw(c-806.42,1850) -735.71,1920.71 -528.54,1713.54 ccw(c-520,1722.07) -520,1710 ccw(c-495.86,1734.14) -495.86,1700 -466.42,1700 ccw(c-466.42,1800) -395.71,1729.29 U5.103@-375,1750
  Bottom Layer w10: J8.4@-1285,2200 -1264.29,2179.29 cw(c-1335,2108.58) -1235,2108.58 -1235,2015 ccw(c-1170,2015) v3(-1170,1950)
CAMERAL_D4: J8.5 JP2.15 U5.100 | length 2009.6
  Top Layer w10: JP2.15@-1921.89,2485 -1921.89,2383.7 ccw(c-1881.3,2383.7) -1910,2355 ccw(c-1849.64,2415.36) -1849.64,2330 -1556.42,2330 cw(c-1556.42,2230) -1485.71,2300.71 J8.5@-1385,2200 ; v3(-1250,1850) -936.42,1850 cw(c-936.42,1750) -865.71,1820.71 -624.29,1579.29 ccw(c-553.58,1650) -553.58,1550 U5.100@-475,1550
  Bottom Layer w10: J8.5@-1385,2200 -1364.29,2179.29 cw(c-1435,2108.58) -1335,2108.58 -1335,1961.42 ccw(c-1235,1961.42) -1305.71,1890.71 -1275.61,1860.61 ccw(c-1250,1886.21) v3(-1250,1850)
CAMERAL_D5: J8.6 JP2.16 U5.101 | length 2107.6
  Top Layer w10: JP2.16@-1941.57,2485 -1941.57,2362.94 ccw(c-1902.06,2362.94) -1930,2335 ccw(c-1865.89,2399.11) -1865.89,2308.44 -1634.86,2308.44 cw(c-1634.86,2208.44) -1564.15,2279.15 J8.6@-1485,2200 -1464.29,2179.29 cw(c-1535,2108.58) -1435,2108.58 -1435,2006.42 ccw(c-1335,2006.42) -1405.71,1935.71 -1384.29,1914.29 ccw(c-1313.58,1985) -1313.58,1885 -891.42,1885 cw(c-891.42,1785) -820.71,1855.71 -594.29,1629.29 ccw(c-523.58,1700) -523.58,1600 -466.42,1600 ccw(c-466.42,1700) -395.71,1629.29 U5.101@-375,1650
CAMERAL_D6: J8.7 JP2.17 U5.99 | length 2227.5
  Top Layer w10: JP2.17@-1961.26,2485 -1961.26,2342.18 ccw(c-1922.82,2342.18) -1950,2315 ccw(c-1884.94,2380.06) -1884.94,2288.05 -1714.47,2288.05 cw(c-1714.47,2188.05) -1643.76,2258.76 J8.7@-1585,2200 -1564.29,2179.29 cw(c-1635,2108.58) -1535,2108.58 -1535,1926.42 ccw(c-1435,1926.42) -1505.71,1855.71 -1484.29,1834.29 ccw(c-1413.58,1905) -1413.58,1805 -991.42,1805 cw(c-991.42,1705) -920.71,1775.71 -674.29,1529.29 ccw(c-603.58,1600) -603.58,1500 -466.42,1500 ccw(c-466.42,1600) -395.71,1529.29 U5.99@-375,1550
CAMERAL_D7: J8.8 JP2.18 U5.98 | length 2180.6
  Top Layer w10: JP2.18@-1980.94,2485 -1980.94,2326.42 ccw(c-1943.58,2326.42) -1970,2300 -1966.76,2296.76 ccw(c-1896.05,2367.47) -1896.05,2267.47 -1793.89,2267.47 cw(c-1793.89,2167.47) -1723.18,2238.18 J8.8@-1685,2200 -1664.29,2179.29 cw(c-1735,2108.58) -1635,2108.58 -1635,1891.42 ccw(c-1535,1891.42) -1605.71,1820.71 -1559.29,1774.29 ccw(c-1488.58,1845) -1488.58,1745 -1006.42,1745 cw(c-1006.42,1645) -935.71,1715.71 -699.29,1479.29 ccw(c-628.58,1550) -628.58,1450 U5.98@-475,1450
CAMERAL_HREF: J8.12 JP2.9 U5.107 | length 2164.4
  Top Layer w10: -1799.08,2525.92 ccw(c-1787.71,2514.57) -1800.57,2524.21 ccw(c-1787.71,2514.57) -1803.78,2514.57 JP2.9@-1803.78,2485 -1803.78,2461.2 ccw(c-1773.8,2461.2) v3(-1795,2440) ; -1799.07,2525.93 -1795,2530 cw(c-1782.93,2517.93) -1782.93,2535 -1216.42,2535 cw(c-1216.42,2435) -1145.71,2505.71 -569.29,1929.29 ccw(c-498.58,2000) -498.58,1900 -466.42,1900 ccw(c-466.42,2000) -395.71,1929.29 U5.107@-375,1950
  Bottom Layer w10: v3(-1795,2440) -1764.29,2409.29 cw(c-1835,2338.58) -1735,2338.58 -1735,2191.42 cw(c-1835,2191.42) -1764.29,2120.71 J8.12@-1785,2100
CAMERAL_PCLK: J8.17 JP2.4 U5.110 | length 1482.4
  Top Layer w10: JP2.4@-1705.35,2485 -1705.35,2465 ccw(c-1670,2465) v3(-1695,2440) ; J8.17@-1285,2100 -1259.29,2074.29 ccw(c-1188.58,2145) -1188.58,2045 v3(-740,2045)
  Bottom Layer w10: v3(-1695,2440) -1564.29,2309.29 ccw(c-1493.58,2380) -1493.58,2280 -1417.13,2280 cw(c-1417.13,2202.43) -1362.28,2257.28 cw(c-1428.14,2191.42) -1335,2191.42 ccw(c-1283.28,2191.42) -1319.85,2154.85 -1299.14,2134.14 cw(c-1333.28,2100) J8.17@-1285,2100 -1287.93,2102.93 cw(c-1270.86,2120) J8.17@-1295,2120 ; v3(-740,2045) -487.07,2045 ccw(c-487.07,2062.07) U5.110@-475,2050
CAMERAL_SCL: J8.9 JP2.19 U5.108 | length 2349
  Top Layer w10: J8.9@-1785,2200 -1804.27,2219.27 ccw(c-1870,2153.54) -1870,2246.5 -1910.07,2246.5 cw(c-1910.07,2346.5) -1980.79,2275.79 -1985,2280 cw(c-1947.27,2317.73) -2000.63,2317.73 JP2.19@-2000.63,2485 -2000.63,2551.88 cw(c-1934.27,2551.88) -1981.19,2598.81 -1953.13,2626.87 cw(c-1951.94,2625.69) -1951.94,2627.37 cw(c-1888.58,2550) -1888.58,2650 -1396.42,2650 cw(c-1396.42,2550) -1325.71,2620.71 -1309.29,2604.29 ccw(c-1238.58,2675) -1238.58,2575 -1211.42,2575 cw(c-1211.42,2475) -1140.71,2545.71 -574.29,1979.29 ccw(c-503.58,2050) -503.58,1950 U5.108@-475,1950
CAMERAL_SDA: J8.10 JP2.20 U5.112 | length 2256.3
  Top Layer w10: J8.10@-1885,2200 -1913.58,2200 cw(c-1913.58,2300) -1984.29,2229.29 -1991.03,2236.03 cw(c-1920.31,2306.74) -2020.31,2306.74 JP2.20@-2020.31,2485 -2020.31,2558.26 cw(c-1920.31,2558.26) -1991.03,2628.97 -1974.29,2645.71 cw(c-1903.58,2575) -1903.58,2675 -1356.42,2675 cw(c-1356.42,2575) -1285.71,2645.71 -1269.29,2629.29 ccw(c-1198.58,2700) -1198.58,2600 -1191.42,2600 cw(c-1191.42,2500) -1120.71,2570.71 -729.29,2179.29 ccw(c-658.58,2250) -658.58,2150 U5.112@-475,2150
CAMERAL_VSYNC: J8.15 JP2.6 U5.106 | length 1581
  Top Layer w10: JP2.6@-1744.72,2485 -1744.72,2463.48 ccw(c-1711.52,2463.48) v3(-1735,2440) ; v3(-1363.58,2020) -736.42,2020 cw(c-736.42,1920) -665.71,1990.71 -554.29,1879.29 ccw(c-483.58,1950) -483.58,1850 U5.106@-475,1850
  Bottom Layer w10: v3(-1735,2440) -1564.29,2269.29 cw(c-1635,2198.58) -1535,2198.58 -1535,2193.58 ; -1535,2191.42 ccw(c-1435,2191.42) -1505.71,2120.71 J8.15@-1485,2100 -1434.29,2049.29 ccw(c-1363.58,2120) v3(-1363.58,2020)
DC_POWERIN: P1.1 SW1.3 | length 9.4
  Top Layer w100: SW1.3@-2185,1125 SW1.3@-2178.37,1118.37
ENCODE1_DIR: J3.5 U5.65 | length 990.8
  Top Layer w15: J3.5@-555,2700 -509.29,2654.29 ccw(c-438.58,2725) -438.58,2625 -391.42,2625 cw(c-391.42,2525) -320.71,2595.71 45.71,2229.29 cw(c-25,2158.58) 75,2158.58 75,2140 ccw(c171.57,2140) 103.28,2071.72 U5.65@125,2050
ENCODE1_LSB: J3.2 U5.66 | length 986
  Top Layer w15: J3.2@-555,2800 -515,2760 ccw(c-490.86,2784.14) -490.86,2750 -436.42,2750 cw(c-436.42,2650) -365.71,2720.71 95.71,2259.29 cw(c25,2188.58) 125,2188.58 U5.66@125,2150
ENCODE2_DIR: J4.5 U5.63 | length 1447.7
  Top Layer w15: J4.5@-1115,2700 -954.29,2539.29 ccw(c-883.58,2610) -883.58,2510 -381.42,2510 cw(c-381.42,2410) -310.71,2480.71 -54.29,2224.29 cw(c-125,2153.58) -25,2153.58 -25,2141.42 ccw(c75,2141.42) 4.29,2070.71 U5.63@25,2050
ENCODE2_LSB: J4.2 U5.64 | length 1420.9
  Top Layer w15: J4.2@-1115,2800 ccw(c-1090.86,2800) -1107.93,2782.93 -1090,2765 ccw(c-1051.36,2803.64) -1051.36,2749 -990.42,2749 cw(c-990.42,2649) -919.71,2719.71 -794.29,2594.29 ccw(c-723.58,2665) -723.58,2565 -386.42,2565 cw(c-386.42,2465) -315.71,2535.71 -4.29,2224.29 cw(c-75,2153.58) 25,2153.58 U5.64@25,2150